# Altium PCB AX7103-2021-0629.PcbDoc (part 2 of 7) (continued)
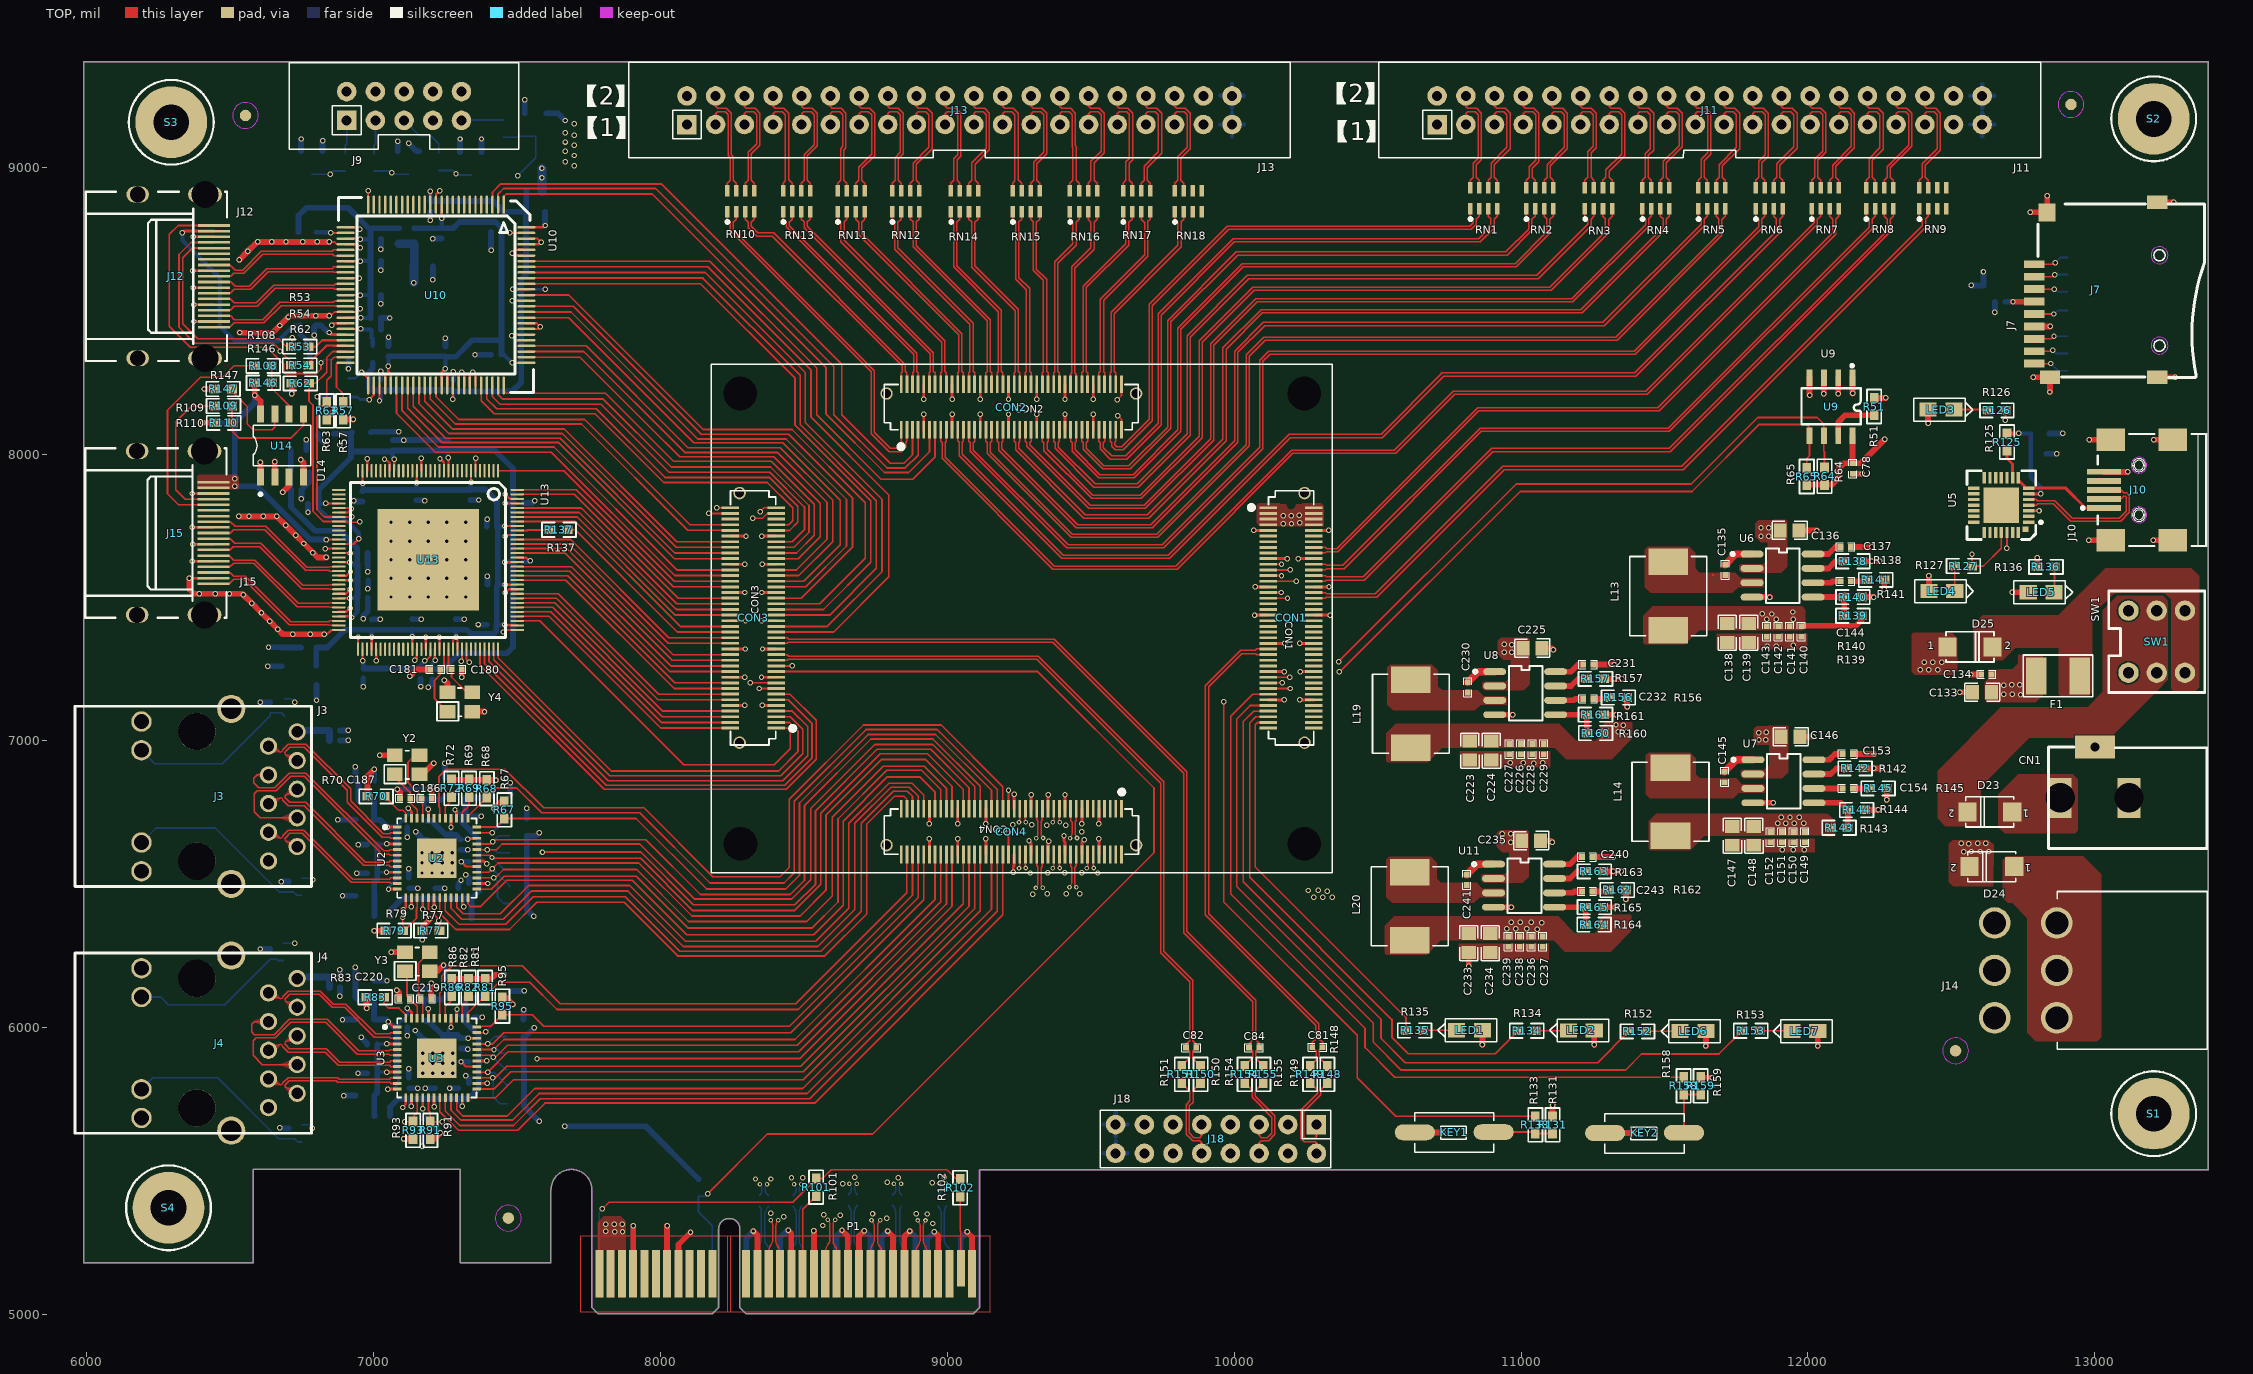
[diagram p0: TOP view]
## Nets (pads, with @x,y where several pads share a name; then routed paths per layer and width w, separated by ;. In a path a pad name is that pad's centre, name@x,y a point inside that pad or via, vN(x,y) a via of type N, cw(c..) or ccw(c..) an arc to the next point about the centre after c; other vN are vias at no path point) (continued)
  BOTTOM w10: C205.1@7170.04,5684.85 7171.76,5686.57 v1(7171.76,5717.57) ; C195.1@7170.04,6381.85 7171.76,6383.57 v1(7171.76,6413.13) ; C206.1@7260.04,5974.85 7260.04,5992.71 v1(7270.18,6002.85) ; C193.1@7268.04,6672.85 7270.18,6674.99 v1(7270.18,6699.85) ; C194.1@7303.04,6656.85 v1(7329.04,6656.85)
  BOTTOM w15: 9545.52,5562.85 J18.16@9587.04,5562.85 ; 9545.52,5662.85 J18.15@9587.04,5662.85 ; 9587.04,5604.37 J18.16@9587.04,5562.85 ; 9587.04,5621.33 J18.15@9587.04,5662.85 ; 9587.04,5704.37 J18.15@9587.04,5662.85 ; 9628.56,5562.85 J18.16@9587.04,5562.85 ; 9628.56,5662.85 J18.15@9587.04,5662.85 ; 9951.18,9148.82 J13.39@9992.7,9148.82 ; 9951.18,9248.82 J13.40@9992.7,9248.82 ; 9992.7,9107.3 J13.39@9992.7,9148.82 ; 9992.7,9190.34 J13.39@9992.7,9148.82 ; 9992.7,9207.3 J13.40@9992.7,9248.82 ; 9992.7,9290.34 J13.40@9992.7,9248.82 ; 10034.22,9148.82 J13.39@9992.7,9148.82 ; 10034.22,9248.82 J13.40@9992.7,9248.82 ; 12566.18,9148.82 J11.39@12607.7,9148.82 ; 12566.18,9248.82 J11.40@12607.7,9248.82 ; 12607.7,9107.3 J11.39@12607.7,9148.82 ; 12607.7,9190.34 J11.39@12607.7,9148.82 ; 12607.7,9207.3 J11.40@12607.7,9248.82 ; 12607.7,9290.34 J11.40@12607.7,9248.82 ; 12649.22,9148.82 J11.39@12607.7,9148.82 ; 12649.22,9248.82 J11.40@12607.7,9248.82
  BOTTOM w20: v1(6634.04,7326.85) C182.1@6679.04,7326.85 6680.04,7325.85 L17.1@6747.54,7325.85 ; L18.1@6766.04,8013.85 v1(6766.04,8049.85) ; D1.2@6822.44,9055.81 v1(6822.44,9092.85) ; v1(6937.04,6210.85) 6937.04,6106.35 L6.1@6947.54,6095.85 ; v1(6937.04,6909.85) C197.1@6937.04,6861.85 6947.54,6851.35 L3.1@6947.54,6792.85 ; v1(7123.04,9082.85) 7150.08,9055.81 D2.2@7159.44,9055.81 ; C205.1@7170.04,5684.85 7182.04,5684.85 v1(7233.04,5633.85) ; C204.1@7182.04,6023.85 7191.04,6023.85 7240.04,5974.85 C206.1@7260.04,5974.85 7293.04,5974.85 C217.1@7304.04,5963.85 7329.92,5963.85 v1(7330.04,5963.73) ; C192.1@7188.04,6720.85 7203.04,6720.85 7250.04,6673.85 7267.04,6673.85 C193.1@7268.04,6672.85 7287.04,6672.85 C194.1@7303.04,6656.85 ; D3.2@7376.44,9052.81 v1(7376.44,9098.45) ; v1(7558.04,6388.85) 7534.04,6412.85 R80.2@7534.04,6669.71 7566.9,6669.71 v1(7577.04,6679.85) ; v1(7561.04,6000.85) 7529.9,5969.71 R94.2@7523.04,5969.71 7523.04,5912.71 R90.2@7524.04,5911.71 7524.04,5854.71 R89.2@7525.04,5853.71 7525.04,5726.85 v1(7577.04,5674.85) ; D4.2@7602.44,9187.81 7643.08,9187.81 v1(7668.04,9162.85) ; v1(7666.04,5656.85) 7949.04,5656.85 R103.1@8133.04,5472.85 ; C80.1@12688.04,8530.85 v1(12715.04,8530.85)
  BOTTOM w30: L7.1@7587.3,8915.46 v1(7587.3,8963.46) v1(7587.3,8996.96)
  other v1: 11894.6,6712.62 11922.6,6712.62 11952.6,6712.62 11985.6,6712.62 11906.6,6733.62 11937.6,6734.62 11969.6,6734.62 7699.04,9005.85 7669.04,9018.85 7699.04,9040.85 7668.04,9055.85 7700.04,9076.85 7668.04,9087.85 7699.04,9110.85 7669.04,9120.85 7699.04,9151.85
+3.3V_PCIE: P1.A9 P1.A10 P1.B8 | length 162
  TOP w20: P1.B8@8062.87,5142.35 8062.87,5244.68 v1(8105.04,5286.85)
+5.0V: C138.1 C139.1 C140.1 C141.1 C142.1 C143.1 CON1.1 CON1.2 CON1.3 CON1.4 CON1.5 CON1.6 CON1.7 CON1.8 F2.1 J11.2 J13.2 L13.2 R139.1 U10.45 | length 721.3
  TOP w10: v1(6845.04,8423.85) 6852.23,8416.66 U10.45@6902.84,8416.66
  TOP w20: C140.1@11976.6,7399.62 11978.6,7401.62 12167.81,7401.62 12186.6,7420.41 R139.1@12186.6,7436.48
  IN2 w15: 8051.18,9248.82 J13.2@8092.7,9248.82 ; 8092.7,9207.3 J13.2@8092.7,9248.82 ; 8092.7,9290.34 J13.2@8092.7,9248.82 ; 8134.22,9248.82 J13.2@8092.7,9248.82 ; 10666.18,9248.82 J11.2@10707.7,9248.82 ; 10707.7,9207.3 J11.2@10707.7,9248.82 ; 10707.7,9290.34 J11.2@10707.7,9248.82 ; 10749.22,9248.82 J11.2@10707.7,9248.82
  BOTTOM w20: v1(6793.04,8413.85) 6793.04,8443.2 F2.1@6798.3,8448.46 6817.43,8448.46 6842.04,8423.85 v1(6845.04,8423.85)
  other v1: 11889.6,7424.12 11856.73,7424.54 11949.6,7424.62 11841.32,7442.95 11873.6,7442.62 11947.6,7449.62 10171.04,7757.85 10200.04,7757.85 10229.04,7760.85 10171.04,7785.85 10199.04,7785.85 10227.04,7786.85
+12V: C133.1 C134.1 C136.1 C146.1 C225.1 C235.1 F1.2 R138.1 R142.1 R157.1 R163.1 U6.2 U7.2 U8.2 U11.2 | length 253.4
  TOP w20: R163.1@11285.6,6545.48 v1(11321.6,6545.48) v1(11348.74,6545.48) ; R157.1@11289.6,7216.48 v1(11325.6,7216.48) v1(11352.74,7216.48) ; R138.1@12186.6,7626.48 v1(12222.6,7626.48) v1(12249.74,7626.48) ; R142.1@12194.6,6904.48 v1(12229.6,6904.48) v1(12258.6,6904.48)
  other v1: 10964.04,6646.85 10934.04,6647.85 10934.04,6676.85 10964.04,6676.85 11829.62,7003.57 11853.6,7004.62 11828.6,7028.62 11854.6,7030.62 12741.04,7161.85 12683.04,7162.85 12712.04,7162.85 12682.04,7194.85 12711.04,7195.85 12739.04,7195.85 10968.04,7308.85 10941.04,7309.85 10968.04,7335.85 10941.04,7336.85 11836.6,7713.62 11863.6,7713.62 11836.6,7742.62 11863.6,7742.62
+12V_PCIE: D25.1 P1.A2 P1.A3 P1.B1 P1.B2 P1.B3
  other v1: 7841.04,5289.85 7868.04,5289.85 7810.04,5290.85 7810.04,5314.85 7839.04,5315.85 7867.04,5315.85 12391.04,7247.85 12421.04,7247.85 12453.04,7247.85 12405.04,7273.85 12435.04,7273.85 12467.04,7273.85
AVDDH_E1: C198.1 C207.1 C208.1 L3.2 U2.1 U2.12 U2.47 | length 575.7
  TOP w10: v1(7048.79,6700.1) U2.1@7082.11,6700.1 ; v1(7052.33,6483.56) U2.12@7082.11,6483.56 ; v1(7121.04,6765.85) 7132.39,6754.5 U2.47@7132.39,6730.69
  BOTTOM w10: v1(7052.33,6483.56) 7052.33,6489.14 C207.1@7087.04,6523.85 ; C208.1@7082.04,6698.85 7082.04,6702.85 7121.04,6741.85 v1(7121.04,6765.85)
  BOTTOM w20: L3.2@7001.54,6792.85 7001.54,6727.35 C198.1@7003.04,6725.85 7022.04,6725.85 7047.79,6700.1 v1(7048.79,6700.1) 7050.04,6698.85 C208.1@7082.04,6698.85 7082.04,6528.85 C207.1@7087.04,6523.85
AVDDH_E2: C203.1 C209.1 C214.1 L6.2 U3.1 U3.12 U3.47 | length 593.4
  TOP w10: v1(7050.33,5786.56) U3.12@7082.11,5786.56 ; v1(7052.04,6020.85) 7069.79,6003.1 U3.1@7082.11,6003.1 ; v1(7118.04,6068.85) 7132.39,6054.5 U3.47@7132.39,6033.69
  BOTTOM w10: v1(7050.33,5786.56) 7068.75,5786.56 7087.04,5804.85 C209.1@7087.04,5826.85 ; C214.1@7082.04,6001.85 7082.04,6007.85 7118.04,6043.85 v1(7118.04,6068.85)
  BOTTOM w20: L6.2@7001.54,6095.85 7001.54,6030.35 C203.1@7003.04,6028.85 7044.04,6028.85 v1(7052.04,6020.85) 7071.04,6001.85 C214.1@7082.04,6001.85 7082.04,5831.85 C209.1@7087.04,5826.85
AVDDL_E1: C211.1 C245.1 C251.1 L4.2 U2.4 U2.9 | length 394
  TOP w10: v1(7045.27,6542.62) U2.9@7082.11,6542.62 ; v1(7046.23,6641.04) U2.4@7082.11,6641.04
  BOTTOM w10: C245.1@7013.04,6538.85 7016.81,6542.62 v1(7045.27,6542.62) ; C251.1@7013.04,6638.85 7015.23,6641.04 v1(7046.23,6641.04)
  BOTTOM w20: L4.2@7003.54,6389.85 7003.54,6460.35 C211.1@7003.04,6460.85 7003.04,6506.85 7013.04,6516.85 C245.1@7013.04,6538.85 C251.1@7013.04,6638.85
AVDDL_E2: C215.1 C259.1 C260.1 L9.2 U3.4 U3.9 | length 394
  TOP w10: v1(7046.23,5944.04) U3.4@7082.11,5944.04 ; v1(7046.81,5845.62) U3.9@7082.11,5845.62
  BOTTOM w10: C260.1@7013.04,5841.85 7016.81,5845.62 v1(7046.81,5845.62) ; C259.1@7013.04,5941.85 7015.23,5944.04 v1(7046.23,5944.04)
  BOTTOM w20: L9.2@7003.54,5692.85 7003.04,5693.35 C215.1@7003.04,5763.85 7013.04,5773.85 C260.1@7013.04,5841.85 C259.1@7013.04,5941.85
AVDDL_PLL_E1: C213.1 C252.1 C253.1 L5.2 U2.44 | length 270.5
  TOP w10: U2.44@7191.44,6730.69 v1(7191.44,6762.45)
  BOTTOM w10: C253.1@7180.04,6795.85 7180.04,6775.25 7191.44,6763.85 v1(7191.44,6762.45)
  BOTTOM w20: C252.1@7145.04,6795.85 C253.1@7180.04,6795.85 7240.04,6795.85 C213.1@7249.04,6804.85 7250.04,6805.85 7271.54,6805.85 L5.2@7321.04,6855.35
AVDDL_PLL_E2: C216.1 C261.1 C262.1 L10.2 U3.44 | length 270.5
  TOP w10: U3.44@7191.44,6033.69 v1(7191.44,6066.25)
  BOTTOM w10: C261.1@7180.04,6098.85 7180.04,6077.65 v1(7191.44,6066.25)
  BOTTOM w20: C262.1@7145.04,6098.85 C261.1@7180.04,6098.85 7241.04,6098.85 C216.1@7250.04,6107.85 7276.04,6133.85 7283.04,6133.85 7307.54,6158.35 L10.2@7321.04,6158.35
CEC_A: J12.13
DSCL: J15.15 R108.2 | length 834.3
  TOP w6: J15.15@6442.26,7823.4 6320.49,7823.4 6282.04,7861.85 6282.04,8152.85 6397.04,8267.85 6474.04,8267.85 6513.9,8307.71 R108.2@6585.04,8307.71
DSCL_17090369: J12.15 R53.2 R60.1 | length 837.1
  TOP w6: J12.15@6444.23,8718.14 6368.33,8718.14 6335.04,8684.85 6335.04,8453.85 6387.04,8401.85 6669.04,8401.85 6696.57,8374.32 R53.2@6712.8,8374.32 6717.04,8378.56 v1(6717.04,8404.85)
  BOTTOM w6: v1(6717.04,8404.85) 6717.04,8403.08 6718.8,8401.32 R60.1@6718.8,8365.46
DSDA: J15.16 R109.2 | length 540.5
  TOP w6: J15.16@6442.26,7843.08 6343.81,7843.08 6311.04,7875.85 6311.04,8112.85 6365.9,8167.71 R109.2@6447.04,8167.71
DSDA_17090369: J12.16 R54.2 R61.1 | length 922.7
  TOP w6: J12.16@6444.23,8737.82 6364.01,8737.82 6322.04,8695.85 6322.04,8441.85 6377.04,8386.85 6650.8,8386.85 6674.04,8363.61 v1(6674.04,8357.85) 6676.04,8357.85 6712.8,8321.09 R54.2@6712.8,8309.32
  BOTTOM w6: v1(6674.04,8357.85) 6676.04,8357.85 6717.8,8316.09 R61.1@6717.8,8303.96
E1_125M_CLK: R72.1 U2.41 | length 83
  TOP w6: U2.41@7250.5,6730.69 7250.5,6771.31 7271.9,6792.71 R72.1@7271.9,6804.85
E1_GTXC: CON4.67 U2.24 | length 2249.1
  TOP w6: U2.24@7329.24,6452.97 7329.24,6432.85 7339.34,6422.75 7372.14,6422.75 7464.24,6514.85 7902.04,6514.85 8092.04,6324.85 8535.04,6324.85 8637.04,6426.85 8637.04,6720.85 8791.04,6874.85 8903.66,6874.85 8957.66,6820.85 CON4.67@8957.66,6763.77
E1_MDC: CON4.47 R67.1 U2.36 | length 2424.4
  TOP w6: U2.36@7359.83,6700.1 7426.15,6700.1 R67.1@7455.9,6729.85 7915.04,6729.85 8161.04,6483.85 8437.04,6483.85 8485.04,6531.85 8485.04,6783.85 8724.04,7022.85 8959.04,7022.85 9154.51,6827.38 CON4.47@9154.51,6763.77
E1_MDIO: CON4.45 R68.1 U2.37 | length 2551.5
  TOP w6: U2.37@7329.24,6730.69 7329.24,6738.19 R68.1@7394.9,6803.85 7427.4,6836.35 7499.54,6836.35 7586.04,6749.85 7928.04,6749.85 8173.04,6504.85 8431.04,6504.85 8467.04,6540.85 8467.04,6789.85 8717.04,7039.85 8965.04,7039.85 9174.2,6830.69 CON4.45@9174.2,6763.77
E1_RESET: CON4.43 U2.42 | length 2803
  TOP w6: U2.42@7230.81,6730.69 7230.81,6768.08 7228.04,6770.85 7228.04,6875.85 7254.04,6901.85 7458.04,6901.85 7593.04,6766.85 7943.04,6766.85 8183.04,6526.85 8417.04,6526.85 8449.04,6558.85 8449.04,6796.85 8708.04,7055.85 8979.04,7055.85 9193.88,6841.01 CON4.43@9193.88,6763.77
E1_RXC: CON4.55 R78.2 U2.35 | length 2403.2
  TOP w6: U2.35@7359.83,6680.41 v1(7414.04,6680.41) ; v1(7589.04,6612.85) 7931.04,6612.85 8115.04,6428.85 8468.65,6428.85 8541.04,6501.24 8541.04,6756.85 8755.04,6970.85 8942.04,6970.85 9075.77,6837.12 CON4.55@9075.77,6763.77
  IN1 w5: v1(7414.04,6680.41) 7481.6,6612.85 v1(7589.04,6612.85)
  BOTTOM w6: v1(7414.04,6680.41) 7462.62,6728.99 R78.2@7474.04,6728.99
E1_RXD0: CON4.53 R75.1 U2.32 | length 2412.1
  TOP w6: U2.32@7359.83,6621.36 v1(7397.04,6621.36) 7428.55,6621.36 7448.04,6640.85 7928.04,6640.85 8120.04,6448.85 8457.04,6448.85 8524.04,6515.85 8524.04,6764.85 8747.04,6987.85 8949.04,6987.85 9095.46,6841.43 CON4.53@9095.46,6763.77
  BOTTOM w6: v1(7397.04,6621.36) 7421.53,6621.36 7432.18,6610.71 R75.1@7474.04,6610.71
E1_RXD1: CON4.57 R76.1 U2.31 | length 2344.7
  TOP w6: U2.31@7359.83,6601.67 7405.22,6601.67 v1(7413.04,6593.85) 7416.04,6590.85 7931.04,6590.85 8113.04,6408.85 8467.04,6408.85 8559.04,6500.85 8559.04,6747.85 8767.04,6955.85 8931.04,6955.85 9056.09,6830.8 CON4.57@9056.09,6763.77
  BOTTOM w6: v1(7413.04,6593.85) 7455.18,6551.71 R76.1@7474.04,6551.71
E1_RXD2: CON4.61 R74.1 U2.28 | length 2330.1
  TOP w6: U2.28@7359.83,6542.62 7401.81,6542.62 v1(7414.04,6554.85) 7434.04,6574.85 7925.04,6574.85 8110.04,6389.85 8487.04,6389.85 8577.04,6479.85 8577.04,6740.85 8772.04,6935.85 8923.04,6935.85 9016.72,6842.17 CON4.61@9016.72,6763.77
  BOTTOM w6: v1(7414.04,6554.85) 7474.04,6494.85 R74.1@7474.04,6492.71
E1_RXD3: CON4.63 R73.1 U2.27 | length 2335.4
  TOP w6: U2.27@7359.83,6522.93 v1(7419.04,6522.93) 7424.12,6522.93 7453.04,6551.85 7917.04,6551.85 8098.04,6370.85 8510.04,6370.85 8599.04,6459.85 8599.04,6733.85 8777.04,6911.85 8920.04,6911.85 8997.03,6834.86 CON4.63@8997.03,6763.77
  BOTTOM w6: v1(7419.04,6522.93) 7432.04,6509.93 7432.04,6455.85 7454.18,6433.71 R73.1@7474.04,6433.71
E1_RXDV: CON4.51 R80.1 U2.33 | length 2432
  TOP w6: U2.33@7359.83,6641.04 7407.23,6641.04 v1(7415.04,6648.85) 7422.04,6655.85 7949.04,6655.85 8140.04,6464.85 8453.04,6464.85 8502.04,6513.85 8502.04,6774.85 8734.04,7006.85 8950.04,7006.85 9115.14,6841.75 CON4.51@9115.14,6763.77
  BOTTOM w6: v1(7415.04,6648.85) 7435.9,6669.71 R80.1@7474.04,6669.71
E1_TXD0: CON4.77 U2.19 | length 2274.9
  TOP w6: U2.19@7230.81,6452.97 7230.81,6399.08 7287.04,6342.85 7474.04,6342.85 7568.61,6437.42 7873.47,6437.42 8060.04,6250.85 8573.04,6250.85 8719.04,6396.85 8719.04,6710.85 8816.04,6807.85 8849.24,6807.85 8859.24,6797.85 CON4.77@8859.24,6763.77
E1_TXD1: CON4.75 U2.20 | length 2272.3
  TOP w6: U2.20@7250.5,6452.97 7250.5,6408.39 7298.04,6360.85 7461.04,6360.85 7557.3,6457.11 7877.78,6457.11 8068.04,6266.85 8560.04,6266.85 8700.04,6406.85 8700.04,6712.85 8812.04,6824.85 8860.92,6824.85 8878.92,6806.85 CON4.75@8878.92,6763.77
E1_TXD2: CON4.73 U2.21 | length 2263.7
  TOP w6: U2.21@7270.18,6452.97 7270.18,6416.71 7308.04,6378.85 7452.04,6378.85 7549.98,6476.79 7887.1,6476.79 8080.04,6283.85 8549.04,6283.85 8678.04,6412.85 8678.04,6712.85 8804.04,6838.85 8868.04,6838.85 8898.61,6808.28 CON4.73@8898.61,6763.77
E1_TXD3: CON4.71 U2.22 | length 2258.5
  TOP w6: U2.22@7289.87,6452.97 7289.87,6420.85 7313.37,6397.35 7441.54,6397.35 7540.67,6496.48 7893.04,6496.48 8087.67,6301.85 8542.04,6301.85 8657.04,6416.85 8657.04,6712.85 8797.04,6852.85 8877.04,6852.85 8918.29,6811.6 CON4.71@8918.29,6763.77
E1_TXEN: CON4.65 U2.25 | length 2203.2
  TOP w6: U2.25@7359.83,6483.56 7410.75,6483.56 7456.04,6528.85 7916.04,6528.85 8097.04,6347.85 8528.04,6347.85 8619.04,6438.85 8619.04,6727.85 8789.04,6897.85 8910.35,6897.85 8977.35,6830.85 CON4.65@8977.35,6763.77
E2_125M_CLK: R86.1 U3.41 | length 86.4
  TOP w6: U3.41@7250.5,6033.69 7250.5,6074.31 7272.9,6096.71 R86.1@7272.9,6110.85
E2_GTXC: CON4.54 U3.24 | length 2228
  TOP w6: U3.24@7329.24,5755.97 7425.16,5755.97 7488.04,5818.85 8498.36,5818.85 9095.46,6415.95 CON4.54@9095.46,6604.33
E2_MDC: CON4.74 R95.1 U3.36 | length 1908.7
  TOP w6: U3.36@7359.83,6003.1 7376.04,6003.1 7378.79,6005.85 7408.9,6005.85 R95.1@7448.9,6045.85 7553.04,6045.85 7593.04,6005.85 8449.93,6005.85 8898.61,6454.53 CON4.74@8898.61,6604.33
E2_MDIO: CON4.76 R81.1 U3.37 | length 1959.2
  TOP w6: U3.37@7329.24,6033.69 7329.24,6053.05 7387.04,6110.85 R81.1@7388.9,6110.85 7437.4,6159.35 7544.54,6159.35 7639.72,6064.17 8480.4,6064.17 8878.92,6462.69 CON4.76@8878.92,6604.33
E2_RESET: CON4.78 U3.42 | length 2135.1
  TOP w6: U3.42@7230.81,6033.69 7230.81,6121.62 7238.04,6128.85 7238.04,6180.85 7274.04,6216.85 7518.04,6216.85 7651.04,6083.85 8472.24,6083.85 8859.24,6470.85 CON4.78@8859.24,6604.33
E2_RXC: CON4.62 R92.2 U3.35 | length 2185.9
  TOP w6: U3.35@7359.83,5983.41 7388.6,5983.41 v1(7392.04,5986.85) ; v1(7570.04,5892.85) 8485.99,5892.85 9016.72,6423.58 CON4.62@9016.72,6604.33
  IN1 w5: v1(7392.04,5986.85) 7486.04,5892.85 v1(7570.04,5892.85)
  BOTTOM w6: v1(7392.04,5986.85) 7433.18,6027.99 R92.2@7463.04,6027.99
E2_RXD0: CON4.68 R90.1 U3.32 | length 2020.6
  TOP w6: U3.32@7359.83,5924.36 v1(7420.04,5924.36) 7420.04,5924.85 7454.79,5959.6 8469.2,5959.6 8957.66,6448.06 CON4.68@8957.66,6604.33
  BOTTOM w6: v1(7420.04,5924.36) 7432.53,5924.36 7445.18,5911.71 R90.1@7464.04,5911.71
E2_RXD1: CON4.66 R89.1 U3.31 | length 2075
  TOP w6: U3.31@7359.83,5904.67 7410.22,5904.67 v1(7418.04,5896.85) 7424.04,5896.85 7467.04,5939.85 8477.3,5939.85 8977.35,6439.9 CON4.66@8977.35,6604.33
  BOTTOM w6: v1(7418.04,5896.85) 7461.18,5853.71 R89.1@7465.04,5853.71
E2_RXD2: CON4.64 R87.1 U3.28 | length 2144.5
  TOP w6: U3.28@7359.83,5845.62 v1(7397.81,5845.62) 7469.04,5916.85 8482.14,5916.85 8997.03,6431.74 CON4.64@8997.03,6604.33
  BOTTOM w6: v1(7397.81,5845.62) 7399.58,5843.85 7422.04,5843.85 7465.04,5800.85 R87.1@7465.04,5794.71
E2_RXD3: CON4.58 R88.1 U3.27 | length 2244.4
  TOP w6: U3.27@7359.83,5825.93 v1(7415.04,5825.93) 7424.12,5825.93 7464.04,5865.85 8489.67,5865.85 9056.09,6432.27 CON4.58@9056.09,6604.33
  BOTTOM w6: v1(7415.04,5825.93) 7417.04,5823.93 7417.04,5759.85 7441.18,5735.71 R88.1@7465.04,5735.71
E2_RXDV: CON4.72 R94.1 U3.33 | length 2002.5
  TOP w6: U3.33@7359.83,5944.04 7395.23,5944.04 v1@7396.04,5944.85 ; v1(7398.04,5944.85) v1@7396.04,5944.85 ; CON4.72@8918.29,6604.33 8918.29,6446.37 8454.77,5982.85 7454.04,5982.85 7415.23,5944.04 7396.85,5944.04 v1@7396.04,5944.85
  BOTTOM w6: v1(7398.04,5944.85) 7422.9,5969.71 R94.1@7463.04,5969.71
E2_TXD0: CON4.44 U3.19 | length 2559.5
  TOP w6: U3.19@7230.81,5755.97 7230.81,5708.23 7296.19,5642.85 7503.04,5642.85 7598.04,5737.85 8538.04,5737.85 9193.88,6393.69 CON4.44@9193.88,6604.33
E2_TXD1: CON4.46 U3.20 | length 2497.4
  TOP w6: U3.20@7250.5,5755.97 7250.5,5710.39 7301.04,5659.85 7488.04,5659.85 7581.04,5752.85 8520.73,5752.85 9174.2,6406.32 CON4.46@9174.2,6604.33
E2_TXD2: CON4.48 U3.21 | length 2436.1
  TOP w6: U3.21@7270.18,5755.97 7270.18,5712.71 7303.96,5678.93 7485.12,5678.93 7577.04,5770.85 8510.88,5770.85 9154.51,6414.48 CON4.48@9154.51,6604.33
E2_TXD3: CON4.52 U3.22 | length 2368.7
  TOP w6: U3.22@7289.87,5755.97 7289.87,5714.02 7311.04,5692.85 7466.04,5692.85 7562.04,5788.85 8496.2,5788.85 9115.14,6407.79 CON4.52@9115.14,6604.33
E2_TXEN: CON4.56 U3.25 | length 2160.2
  TOP w6: U3.25@7359.83,5786.56 7418.75,5786.56 7479.04,5846.85 8498.51,5846.85 9075.77,6424.11 CON4.56@9075.77,6604.33
EEPROM_I2C_SCL: CON1.63 R64.2 U9.6 | length 2483
  TOP w6: CON1.63@10118.59,7202.57 v1(10167.32,7202.57) ; v1(10365.04,7276.85) 10365.04,7277.85 10983.04,7895.85 11593.04,7895.85 11825.04,8127.85 12032.04,8127.85 12055.04,8104.85 12055.04,8064.16 U9.6@12055.71,8063.49 12055.71,8010.85 12057.9,8008.66 R64.2@12057.9,7952.85
  IN1 w5: v1(10167.32,7202.57) 10290.76,7202.57 v1(10365.04,7276.85)
EEPROM_I2C_SDA: CON1.65 R65.2 U9.5 | length 2419.3
  TOP w6: CON1.65@10118.59,7182.89 v1(10196,7182.89) ; v1(10367.04,7240.85) 10367.04,7239.85 10997.04,7869.85 11596.04,7869.85 11829.04,8102.85 11996.04,8102.85 12006.04,8092.85 12006.04,8063.82 U9.5@12005.71,8063.49 12005.71,7994.66 11995.9,7984.85 R65.2@11995.9,7951.85
  IN1 w5: v1(10196,7182.89) 10309.08,7182.89 v1(10367.04,7240.85)
EPAD1: U5.29
EPAD2: U5.30
EX_IO1_1N: J11.4 RN1.7 | length 372.4
  TOP w5: J11.4@10807.7,9248.82 10807.7,9211.85 10814.7,9204.85 10845.04,9204.85 10862.04,9187.85 10862.04,9026.85 10844.05,9008.86 10844.05,8964.39 10854.3,8954.14 RN1.7@10854.3,8928.42
EX_IO1_1P: J11.3 RN1.8 | length 355.2
  TOP w5: J11.3@10807.7,9148.82 10807.7,9186.85 10814.7,9193.85 10840.48,9193.85 10851.04,9183.29 10851.04,9031.41 10833.05,9013.42 10833.05,8964.39 10822.8,8954.14 RN1.8@10822.8,8928.42
EX_IO1_2N: J11.5 RN1.6 | length 370.5
  TOP w5: RN1.6@10885.79,8928.42 10885.79,8954.14 10896.04,8964.39 10896.04,9013.85 10951.04,9068.85 10951.04,9183.29 10940.48,9193.85 10914.7,9193.85 10907.7,9186.85 J11.5@10907.7,9148.82
EX_IO1_2P: J11.6 RN1.5 | length 387.7
  TOP w5: J11.6@10907.7,9248.82 10907.7,9211.85 10914.7,9204.85 10945.04,9204.85 10962.04,9187.85 10962.04,9064.29 10907.04,9009.29 10907.04,8964.39 10917.29,8954.14 RN1.5@10917.29,8928.42
EX_IO1_3N: J11.8 RN2.7 | length 374.4
  TOP w5: J11.8@11007.7,9248.82 11007.7,9211.85 11014.7,9204.85 11045.04,9204.85 11062.04,9187.85 11062.04,9019.85 11039.05,8996.86 11039.05,8964.4 11049.3,8954.15 RN2.7@11049.3,8928.43
EX_IO1_3P: J11.7 RN2.8 | length 357.3
  TOP w5: J11.7@11007.7,9148.82 11007.7,9186.85 11014.7,9193.85 11040.48,9193.85 11051.04,9183.29 11051.04,9024.41 11028.05,9001.42 11028.05,8964.4 11017.8,8954.15 RN2.8@11017.8,8928.43
EX_IO1_4N: J11.9 RN2.6 | length 372.6
  TOP w5: RN2.6@11080.79,8928.43 11080.79,8954.15 11091.04,8964.4 11091.04,9009.41 11151.04,9069.41 11151.04,9183.29 11140.48,9193.85 11114.7,9193.85 11107.7,9186.85 J11.9@11107.7,9148.82
EX_IO1_4P: J11.10 RN2.5 | length 389.8
  TOP w5: J11.10@11107.7,9248.82 11107.7,9211.85 11114.7,9204.85 11145.04,9204.85 11162.04,9187.85 11162.04,9064.85 11102.04,9004.85 11102.04,8964.4 11112.29,8954.15 RN2.5@11112.29,8928.43
EX_IO1_5N: J11.12 RN3.7 | length 372.4
  TOP w5: J11.12@11207.7,9248.82 11207.7,9211.85 11214.7,9204.85 11245.04,9204.85 11262.04,9187.85 11262.04,9067.84 11244.05,9049.85 11244.05,8964.39 11254.3,8954.14 RN3.7@11254.3,8928.42
EX_IO1_5P: J11.11 RN3.8 | length 355.2
  TOP w5: J11.11@11207.7,9148.82 11207.7,9186.85 11214.7,9193.85 11240.48,9193.85 11251.04,9183.29 11251.04,9072.4 11233.05,9054.41 11233.05,8964.39 11222.8,8954.14 RN3.8@11222.8,8928.42
EX_IO1_6N: J11.14 RN3.5 | length 387.7
  TOP w5: J11.14@11307.7,9248.82 11307.7,9211.85 11314.7,9204.85 11345.04,9204.85 11362.04,9187.85 11362.04,9040.85 11307.04,8985.85 11307.04,8964.39 11317.29,8954.14 RN3.5@11317.29,8928.42
EX_IO1_6P: J11.13 RN3.6 | length 370.5
  TOP w5: RN3.6@11285.79,8928.42 11285.79,8954.14 11296.04,8964.39 11296.04,8990.41 11351.04,9045.41 11351.04,9183.29 11340.48,9193.85 11314.7,9193.85 11307.7,9186.85 J11.13@11307.7,9148.82
EX_IO1_7N: J11.16 RN4.7 | length 372.4
  TOP w5: J11.16@11407.7,9248.82 11407.7,9211.85 11414.7,9204.85 11445.04,9204.85 11462.04,9187.85 11462.04,9059.85 11444.05,9041.86 11444.05,8964.4 11454.3,8954.15 RN4.7@11454.3,8928.43
EX_IO1_7P: J11.15 RN4.8 | length 355.2
  TOP w5: J11.15@11407.7,9148.82 11407.7,9186.85 11414.7,9193.85 11440.48,9193.85 11451.04,9183.29 11451.04,9064.41 11433.05,9046.42 11433.05,8964.4 11422.8,8954.15 RN4.8@11422.8,8928.43
EX_IO1_8N: J11.18 RN4.5 | length 387.7
  TOP w5: J11.18@11507.7,9248.82 11507.7,9211.85 11514.7,9204.85 11545.04,9204.85 11562.04,9187.85 11562.04,9070.85 11507.04,9015.85 11507.04,8964.4 11517.29,8954.15 RN4.5@11517.29,8928.43
EX_IO1_8P: J11.17 RN4.6 | length 370.5
  TOP w5: RN4.6@11485.79,8928.43 11485.79,8954.15 11496.04,8964.4 11496.04,9020.41 11551.04,9075.41 11551.04,9183.29 11540.48,9193.85 11514.7,9193.85 11507.7,9186.85 J11.17@11507.7,9148.82
EX_IO1_9N: J11.20 RN5.7 | length 374.4
  TOP w5: J11.20@11607.7,9248.82 11607.7,9211.85 11614.7,9204.85 11645.04,9204.85 11662.04,9187.85 11662.04,9045.85 11639.05,9022.86 11639.05,8964.39 11649.3,8954.14 RN5.7@11649.3,8928.42
EX_IO1_9P: J11.19 RN5.8 | length 357.3
  TOP w5: J11.19@11607.7,9148.82 11607.7,9186.85 11614.7,9193.85 11640.48,9193.85 11651.04,9183.29 11651.04,9050.41 11628.05,9027.42 11628.05,8964.39 11617.8,8954.14 RN5.8@11617.8,8928.42
EX_IO1_10N: J11.22 RN5.5 | length 389.8
  TOP w5: J11.22@11707.7,9248.82 11707.7,9211.85 11714.7,9204.85 11745.04,9204.85 11762.04,9187.85 11762.04,9064.85 11702.04,9004.85 11702.04,8964.39 11712.29,8954.14 RN5.5@11712.29,8928.42
EX_IO1_10P: J11.21 RN5.6 | length 372.6
  TOP w5: RN5.6@11680.79,8928.42 11680.79,8954.14 11691.04,8964.39 11691.04,9009.41 11751.04,9069.41 11751.04,9183.29 11740.48,9193.85 11714.7,9193.85 11707.7,9186.85 J11.21@11707.7,9148.82
EX_IO1_11N: J11.23 RN6.8 | length 357.3
  TOP w5: J11.23@11807.7,9148.82 11807.7,9186.85 11814.7,9193.85 11840.48,9193.85 11851.04,9183.29 11851.04,9043.41 11828.05,9020.42 11828.05,8964.4 11817.8,8954.15 RN6.8@11817.8,8928.43
EX_IO1_11P: J11.24 RN6.7 | length 374.4
  TOP w5: J11.24@11807.7,9248.82 11807.7,9211.85 11814.7,9204.85 11845.04,9204.85 11862.04,9187.85 11862.04,9038.85 11839.05,9015.86 11839.05,8964.4 11849.3,8954.15 RN6.7@11849.3,8928.43
EX_IO1_12N: J11.25 RN6.6 | length 372.6
  TOP w5: RN6.6@11880.79,8928.43 11880.79,8954.15 11891.04,8964.4 11891.04,9011.41 11951.04,9071.41 11951.04,9183.29 11940.48,9193.85 11914.7,9193.85 11907.7,9186.85 J11.25@11907.7,9148.82
EX_IO1_12P: J11.26 RN6.5 | length 389.8
  TOP w5: J11.26@11907.7,9248.82 11907.7,9211.85 11914.7,9204.85 11945.04,9204.85 11962.04,9187.85 11962.04,9066.85 11902.04,9006.85 11902.04,8964.4 11912.29,8954.15 RN6.5@11912.29,8928.43
EX_IO1_13N: J11.27 RN7.8 | length 359.4
  TOP w5: J11.27@12007.7,9148.82 12007.7,9186.85 12014.7,9193.85 12040.48,9193.85 12051.04,9183.29 12051.04,9056.41 12023.05,9028.42 12023.05,8964.39 12012.8,8954.14 RN7.8@12012.8,8928.42
EX_IO1_13P: J11.28 RN7.7 | length 376.5
  TOP w5: J11.28@12007.7,9248.82 12007.7,9211.85 12014.7,9204.85 12045.04,9204.85 12062.04,9187.85 12062.04,9051.85 12034.05,9023.86 12034.05,8964.39 12044.3,8954.14 RN7.7@12044.3,8928.42
EX_IO1_14N: J11.30 RN7.5 | length 391.9
  TOP w5: RN7.5@12107.29,8928.42 12107.29,8954.14 12097.04,8964.39 12097.04,9002.85 12162.04,9067.85 12162.04,9187.85 12145.04,9204.85 12114.7,9204.85 12107.7,9211.85 J11.30@12107.7,9248.82
EX_IO1_14P: J11.29 RN7.6 | length 374.7
  TOP w5: RN7.6@12075.79,8928.42 12075.79,8954.14 12086.04,8964.39 12086.04,9007.41 12151.04,9072.41 12151.04,9183.29 12140.48,9193.85 12114.7,9193.85 12107.7,9186.85 J11.29@12107.7,9148.82